# Altium PCB AudioBoxAmpV3-3.PcbDoc (part 1 of 2) (continued)
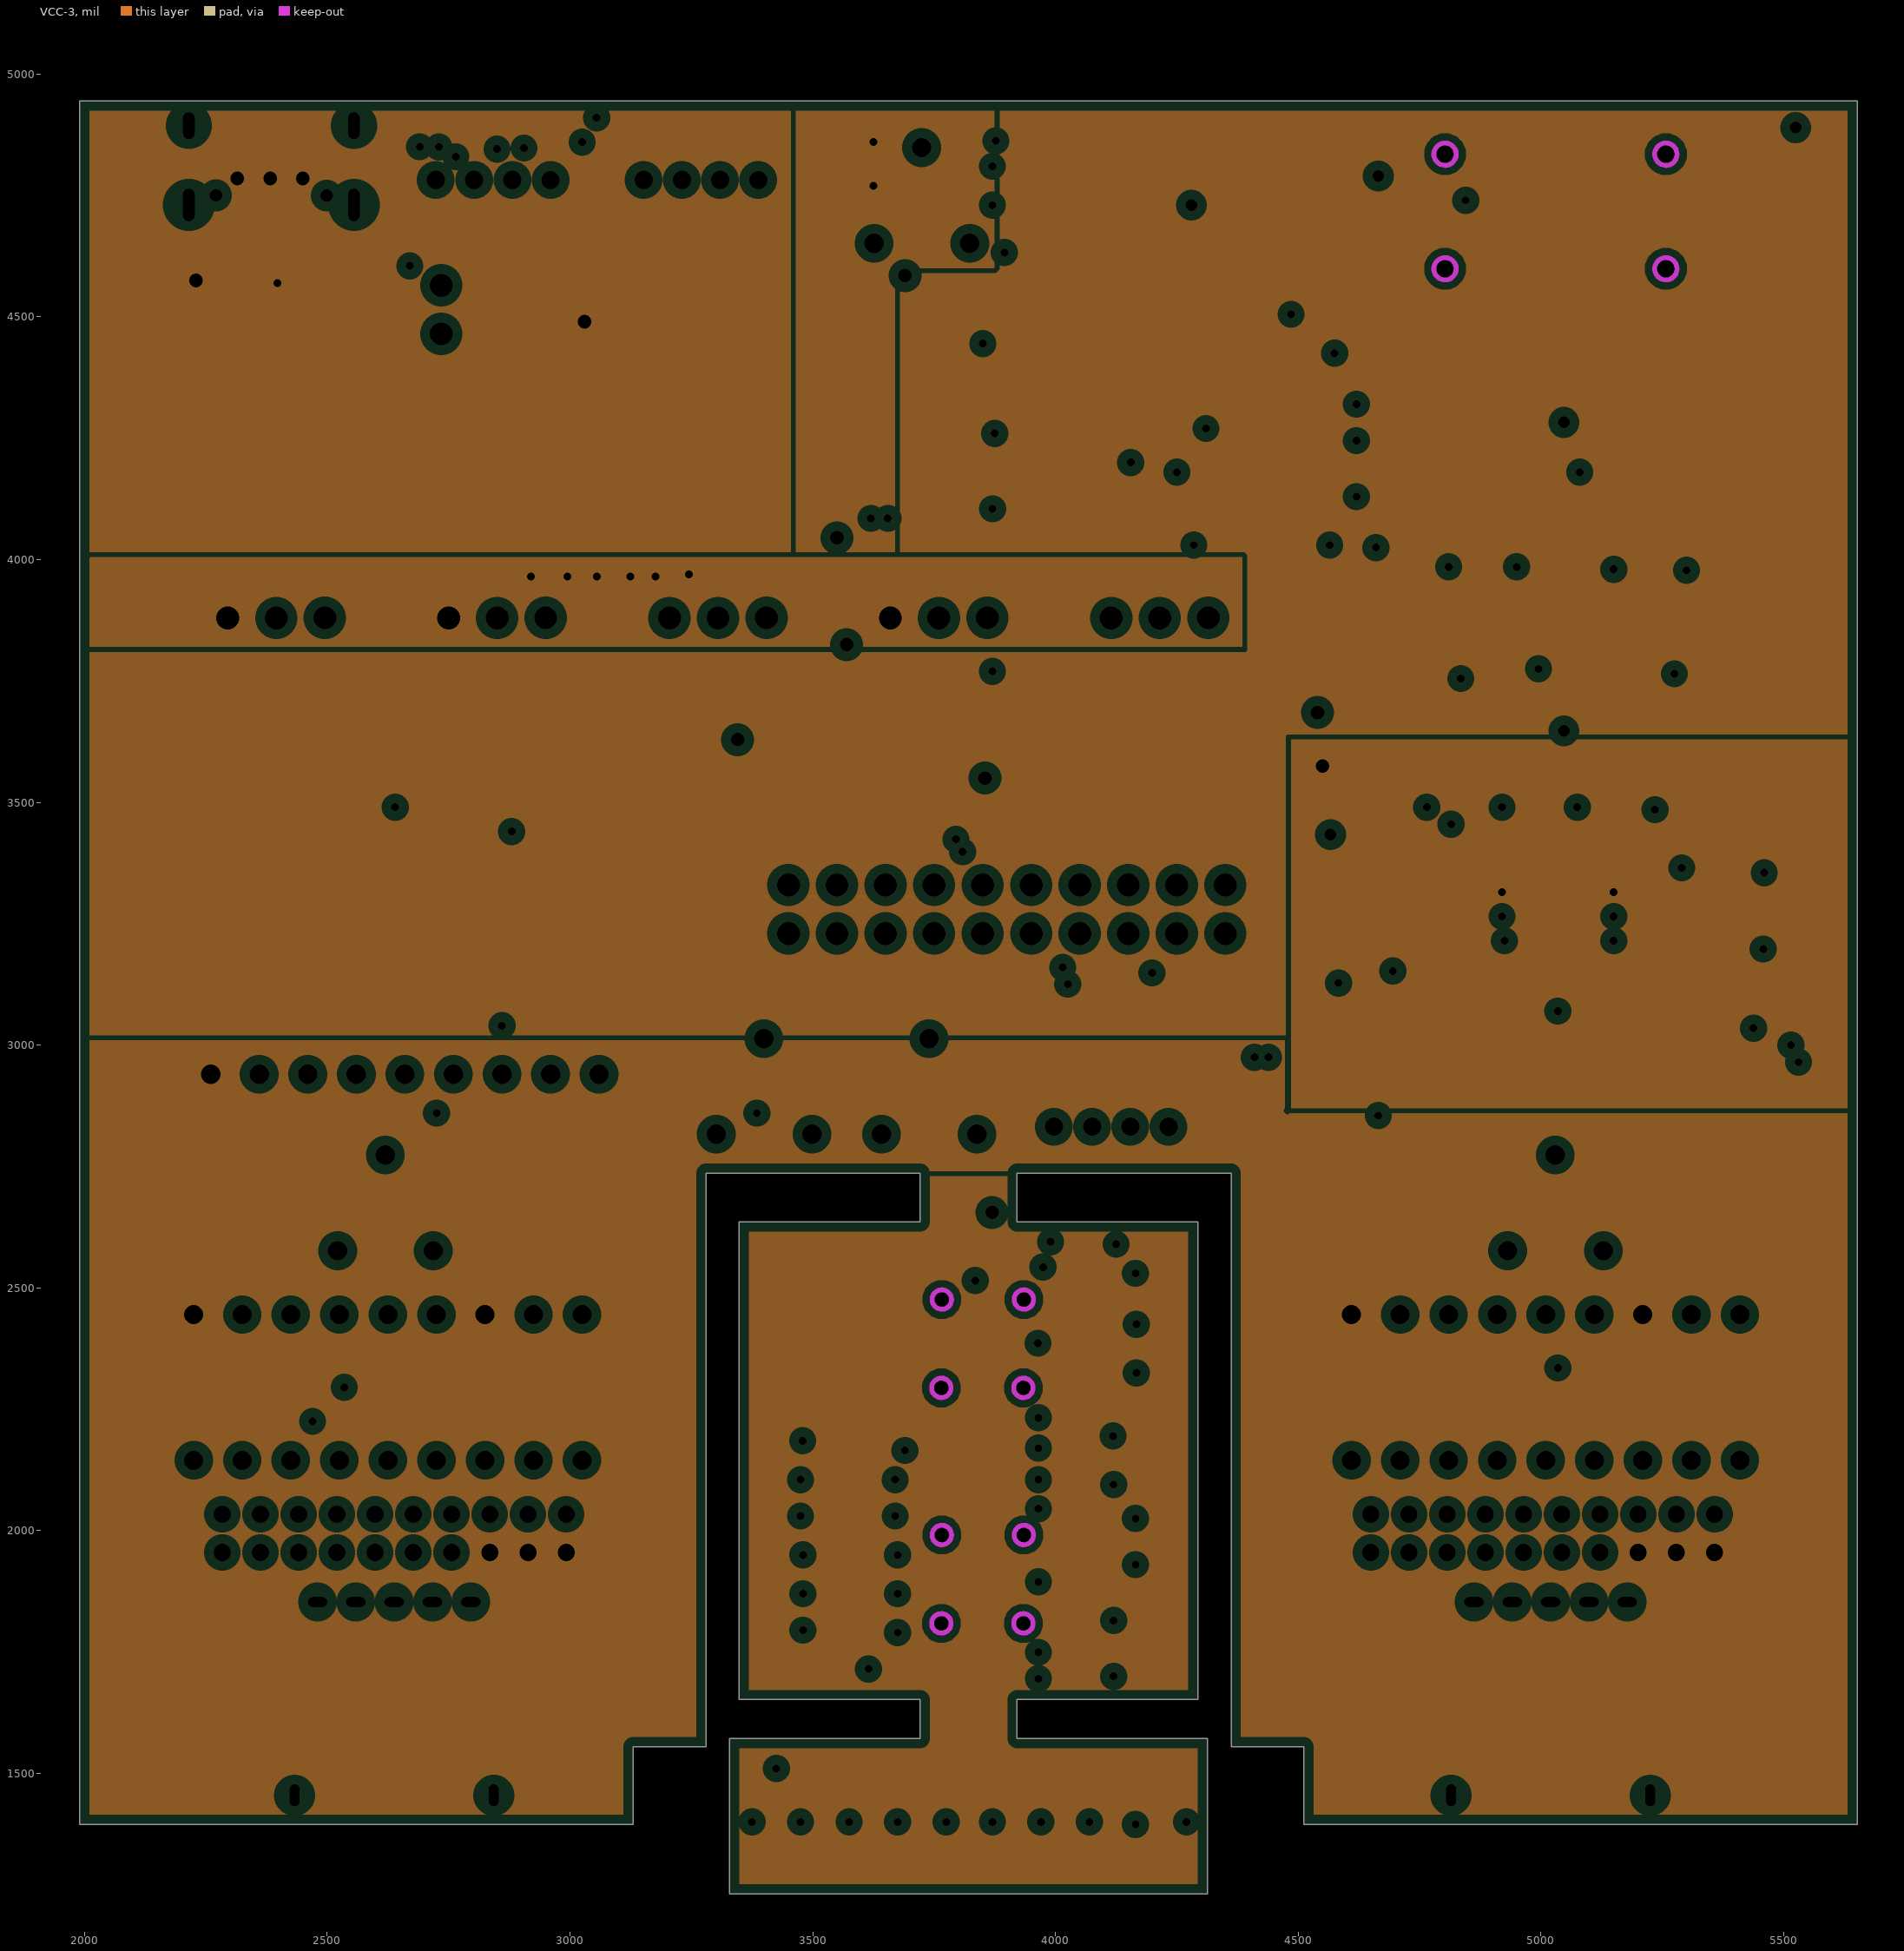
[diagram p3: VCC-3, clearances drawn from the general rule]
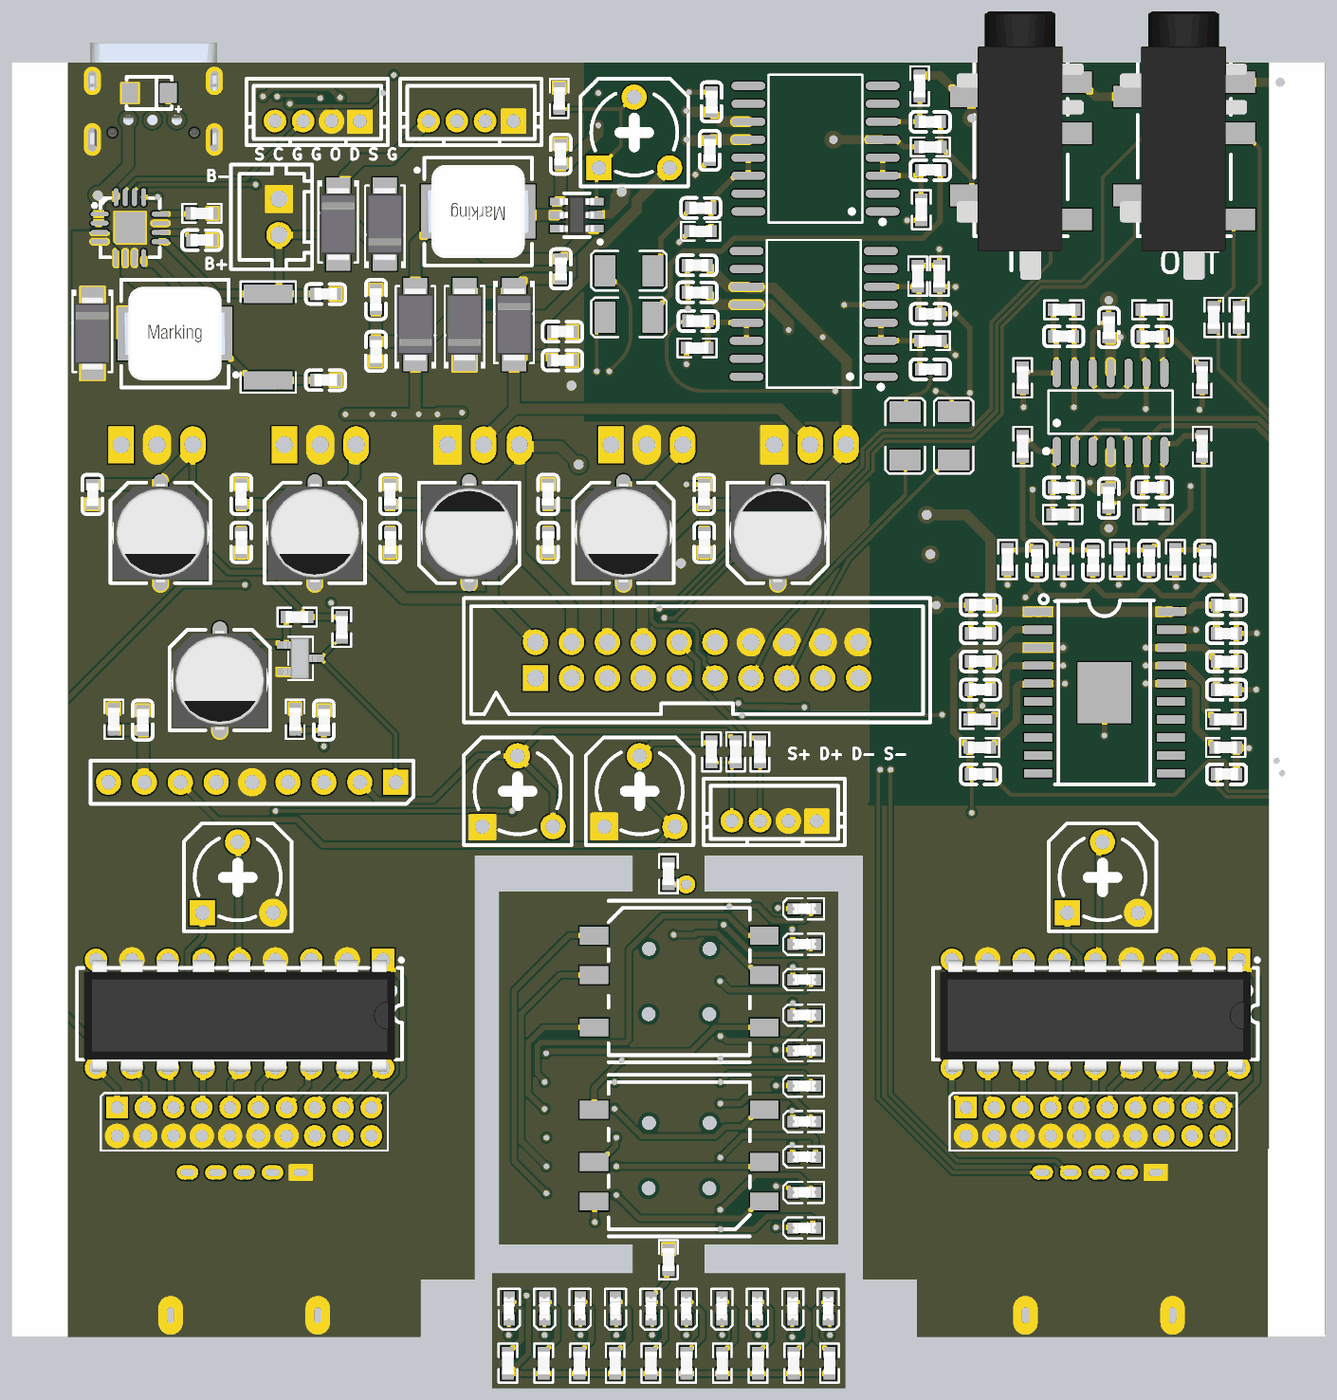
[diagram p5: 3D render of the assembled board from above, using the file's embedded part models]
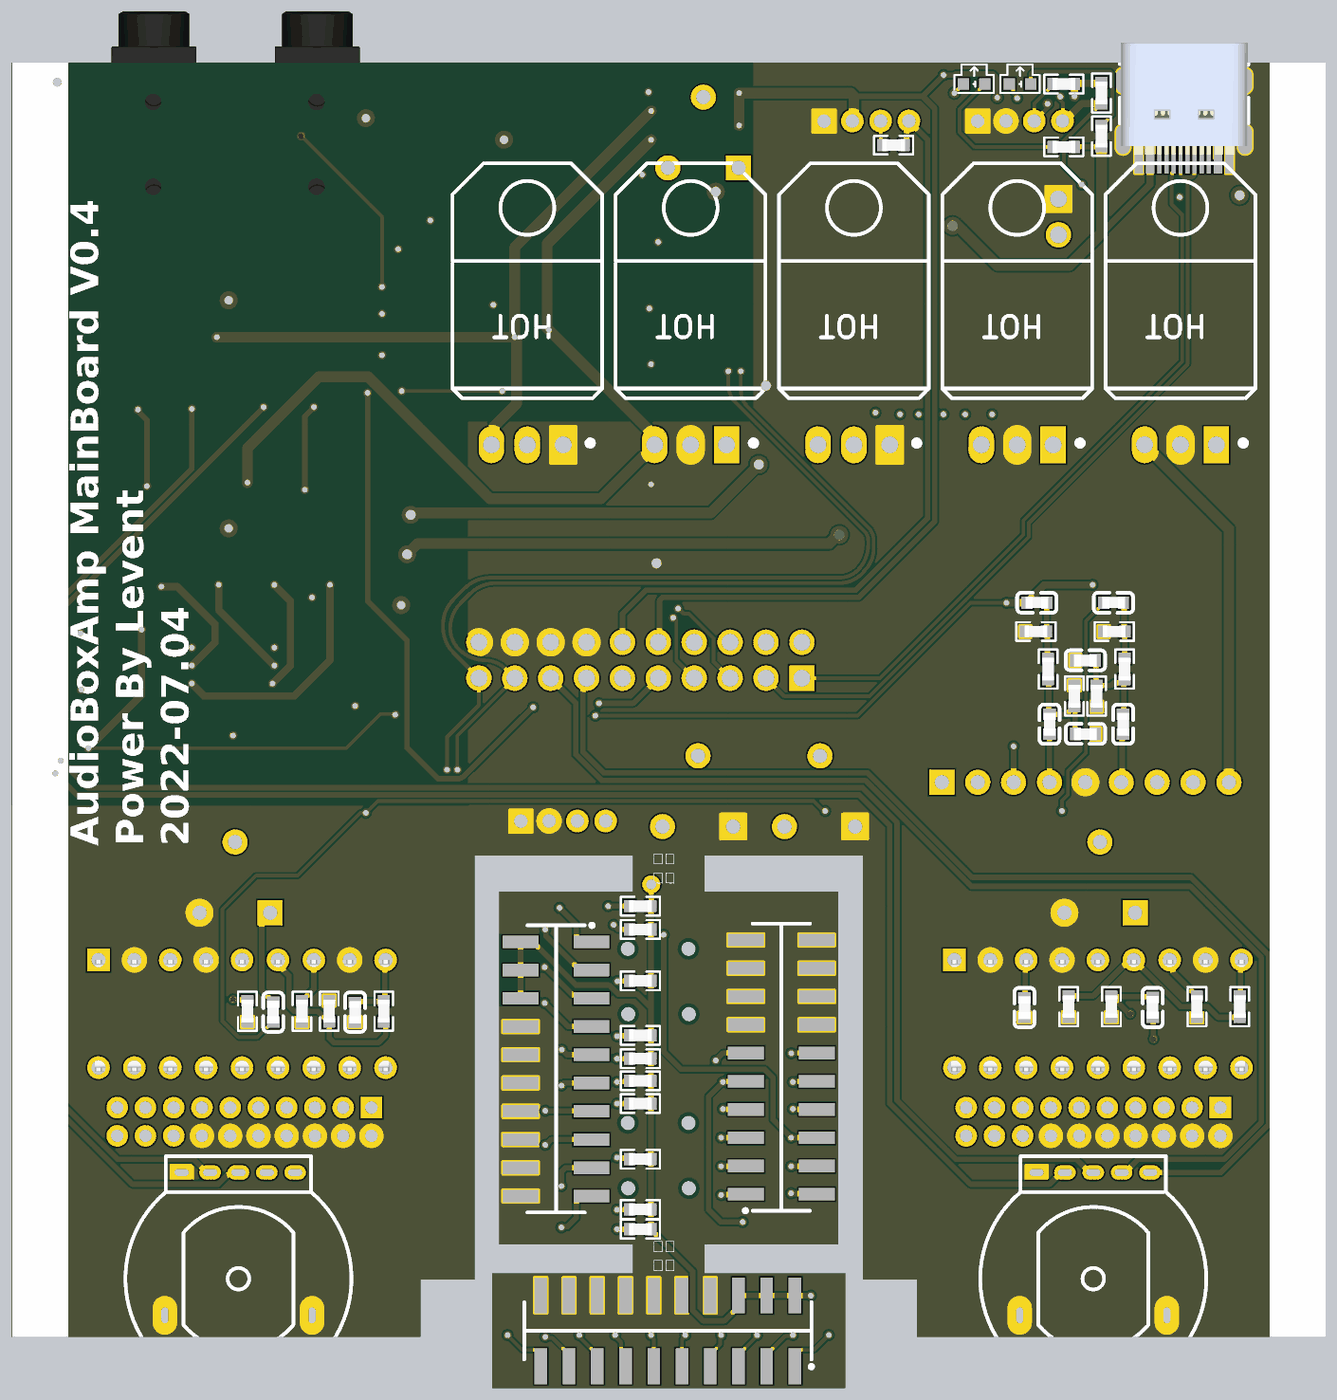
[diagram p6: 3D render of the assembled board from below, using the file's embedded part models]

## Layer stack, top to bottom
Top Solder: solder mask 0.4, Solder Resist, Dk 3.5
Top Layer: signal copper 1.4
Dielectric 2: prepreg 2.8, PP-006, Dk 4.1
GND-2: plane copper 1.378, net GND
Dielectric 1: dielectric 12.6, FR-4, Dk 4.8
VCC-3: plane copper 1.378, net (Multiple Nets)
Dielectric 3: prepreg 2.8, PP-006, Dk 4.1
Bottom Layer: signal copper 1.4
Bottom Solder: solder mask 0.4, Solder Resist, Dk 3.5

## Board outline
1990,1395 3130,1395 3130,1555 3280,1555 3280,2736 3721,2736 3721,2636 3348.5,2636 3348.5,1652 3721,1652 3721,1572 3329,1572 3329,1252 4313,1252 4313,1572 3921,1572 3921,1652 4293.5,1652 4293.5,2636 3921,2636 3921,2736 4362,2736 4362,1555 4512,1555 4512,1395 5652,1395 5652,4945 1990,4945

## Design rules (kind name [scope] priority, off if disabled: settings)
Clearance [All] p1: gap=5 ignorepadtopadclearanceinfootprint=FALSE
HoleToHoleClearance [All] p1: gap=5 allowstackedmicrovias=TRUE
MinimumSolderMaskSliver [All] p1: minsoldermaskwidth=3
PlaneClearance [All] p1: clearance=20
PlaneConnect [All] p1: planeconnectstyle=Relief reliefexpansion=20 reliefentries=4 reliefconductorwidth=10 reliefairgap=10
PolygonConnect [All] p1: connectstyle=Direct reliefconductorwidth=10 reliefentries=4 polygonreliefangle="90 Angle" airgapwidth=10
RoutingVias [All] p1: holewidth=16 width=26 viastyle="Through Hole" minholewidth=8 minwidth=16 maxholewidth=50 maxwidth=50
SilkToSilkClearance [All] p1: silktosilkclearance=5
SilkToSolderMaskClearance [IsPad] p1: minsilkscreentomaskgap=3 clearancetoexposedcopper=TRUE
SolderMaskExpansion [All] p1: expansion=4 istentingtop=FALSE
Width PWR [InNetClass('PWR')] p1: maxlimit=50 minlimit=15 preferedwidth=15
Width [All] p2: maxlimit=50 minlimit=10 preferedwidth=10
24 further rules are at their usual default settings.

## Classes and differential pairs
net class PWR: A_VLB12V+ A_VLB12V- FP_12V GND PWR_BAT PWR_DC_SW PWR_DC_V5+ PWR_DC_V5- PWR_DC_VHN PWR_DC_VHP PWR_VIN PWR_VOUT PWR_VSYS VU_12V VU_LVUOUT
component class VU_LED: C53 C54 C55 C56 C57 C58 C59 C60 C61 C62 C63 C64 C65 C66 C67 H4 H5 H6 Q1 R38 R39 R40 R41 R42 R43 R44 R45 R46 R47 R48 R49 R50 R51 R52 R53 R54 R55 R56 R57 R58 R59 R60 R61 R62 U11 U12 U13 U14
component class Power: C1 C2 C3 C4 C5 C6 C7 C8 C9 C10 C11 C12 C13 C14 C15 C16 C17 C18 C19 C20 C21 C22 D1 D2 D3 D4 D5 D6 D7 D8 H1 H2 H3 L1 L2 R1 R2 R3 R4 R5 R6 R7 R8 R9 U1 U2 U3 U4 U5 U6 USB1
component class FrantPannel: D9 D10 D11 D12 D13 D14 D15 D16 D17 D18 D19 D20 D21 D22 D23 D24 D25 D26 D27 D28 H7 H8 H9 K1 K2 R63 R64 R65 R66 R67 R68 R69 R70 R71 R72 R73 R74 R75 R76 R77 R78 R79 R80 R81 R82 R83
component class Audio: C23 C24 C25 C26 C27 C28 C29 C30 C31 C32 C33 C34 C35 C36 C37 C38 C39 C40 C41 C42 C43 C44 C45 C46 C47 C48 C49 C50 C51 C52 CN1 CN2 CN3 L3 L4 L5 L6 R10 R11 R12 R13 R14 R15 R16 R17 R18 R19 R20 R21 R22 R23 R24 R25 R26 R27 R28 R29 R30 R31 R32 R33 R34 R35 R36 R37 U7 U8 U9 U10

## Components (designator, comment, footprint, x,y, rotation, side; value= is the part's Value field where it differs from the comment)
C1 "CAP" C0603 2520,4450 r0 top value=100nF
C2 "CAP_POL" CP1206 2375,4860 r180 top value=10uF
C3 "CAP" C0603 2865,4300 r0 top value=10uF
C4 "CAP" C0603 2865,4060 r0 top value=10uF
C5 "CAP_POL" CAP_SMD_6.3mm 3695,3635 r270 top locked value=220uF
C6 "CAP_POL" CAP_SMD_6.3mm 2835,3635 r270 top locked value=220uF
C7 "CAP" C0603 3485,3742.28 r90 top locked value=10uF
C8 "CAP" C0603 3484.79,3607.72 r270 top locked value=100nF
C9 "CAP" C0603 2629.79,3607.72 r270 top locked value=10uF
C10 "CAP" C0603 2630,3742.28 r90 top locked value=100nF
C11 "CAP" C0603 3520,4690 r90 top value=1uF
C12 "CAP" C0603 3519.79,4370 r270 top value=1uF
C13 "CAP" C0603 3005.21,4285 r90 top value=10uF
C14 "CAP" C0603 3005,4140 r270 top value=100nF
C15 "CAP_POL" CAP_SMD_6.3mm 4125,3635 r90 top locked value=220uF
C16 "CAP" C0603 3920,3742.28 r90 top locked value=10uF
C17 "CAP" C0603 3919.79,3607.72 r270 top locked value=100nF
C18 "CAP_POL" CAP_SMD_6.3mm 3265,3635 r90 top locked value=220uF
C19 "CAP" C0603 3044.79,3607.72 r270 top locked value=10uF
C20 "CAP" C0603 3045,3742.28 r90 top locked value=100nF
C21 "CAP" C0603 3525,4115 r0 top value=10uF
C22 "CAP" C0603 3525,4195 r0 top value=100nF
C23 "Cap" C0603 4921.03,3761.16 r180 top value=1nF
C24 "Cap" C0603 4921.64,4181.83 r0 top value=1nF
C25 "CAP" C0603 5047.23,3731.16 r90 top value=1uF
C26 "CAP" C0603 5047.23,4206.16 r270 top value=1uF
C27 "Cap" C0603 5168.78,3760.95 r0 top value=1nF
C28 "Cap" C0603 5168.17,4182.05 r180 top value=1nF
C29 "CAP" C0603 3902.45,4225 r180 top value=10uF
C30 "CAP" C0603 4550,4090 r0 top value=10uF
C31 "CAP" C0603 5375,3355.12 r180 top value=1uF
C32 "CAP" C0603 5375,3433.7 r180 top value=100nF
C33 "CAP" C0603 5375,3197.98 r180 top value=1uF
C34 "CAP" C0603 5375,3276.55 r180 top value=100nF
C35 "CAP" C0603 4690,3197.76 r0 top value=1uF
C36 "CAP" C0603 4690,3276.34 r0 top value=100nF
C37 "CAP" C0603 4690,3433.48 r0 top value=1uF
C38 "CAP" C0603 4690,3354.91 r0 top value=100nF
C39 "CAP" C0603 3900,4305 r180 top value=1uF
C40 "CAP" C0603 4550,4245 r180 top value=1uF
C41 "CAP" C0603 3900,4380 r0 top value=1uF
C42 "CAP" C0603 4690,2962.05 r0 top value=10uF
C43 "CAP" C0603 5375.61,2962.05 r0 top value=10uF
C44 "CAP" C0603 4550,4645 r0 top value=10uF
C45 "CAP" C0603 3910,4540 r180 top value=10uF
C46 "CAP" C0603 3935,4700 r270 top value=1uF
C47 "CAP" C0603 4549.39,4780 r180 top value=1uF
C48 "CAP" C0603 5158.98,3557.55 r270 top value=1uF
C49 "CAP" C0603 5002.97,3557.55 r270 top value=1uF
C50 "CAP" C0603 5315,3557.55 r270 top value=1uF
C51 "CAP" C0603 4846.95,3557.55 r270 top value=1uF
C52 "CAP" C0603 3940,4835 r270 top value=1uF
C53 "CAP_POL" CAP_SMD_6.3mm 2570,3225 r270 top value=100uF
C54 "CAP" C0603 2795,3440 r180 bottom value=10uF
C55 "CAP" C0603 2860,3112.55 r270 top value=2.2uF
C56 "CAP_POL" CAP_SMD_6.3mm 2405,3635 r270 top locked value=220uF
C57 "CAP" C0603 2215,3741.66 r270 top locked value=1uF
C58 "CAP" C0603 2760,3101.56 r270 bottom value=2.2uF
C59 "CAP" C0603 2581.56,3440 r180 bottom value=10uF
C60 "CAP" C0603 2355,3112.55 r270 top value=2.2uF
C61 "CAP" C0603 2660,3075 r0 bottom value=1nF
C62 "CAP" C0603 2660,3280 r0 bottom value=1nF
C63 "CAP" C0603 2555,3101.56 r270 bottom value=2.2uF
C64 "CAP" C0603 4922.95,2300 r90 bottom value=10uF
C65 "CAP" C0603 2472.28,2312.81 r90 bottom value=10uF
C66 "CAP" C0603 2830,2312.2 r270 bottom value=10uF
C67 "CAP" C0603 4695.16,2299.39 r270 bottom value=10uF
CN1 "Audio3.5Con" Audio3.5_3Pin 4802.5,4699 r270 top
CN2 "300S-20P" DC_20P_2.54 3900,3280 r0 top
CN3 "Audio3.5Con" Audio3.5_3Pin 5257.5,4699 r270 top
D1 "LED" LED0603_Side 2970,4885 r90 bottom
D2 "LED" LED0603_Side 2842.2,4885 r90 bottom
D3 "Diode SBD" SMA_L4.3 3030,4495 r90 top
D4 "Diode SBD" SMA_L4.3 2215,4190 r270 top
D5 "Diode SBD" SMA_L4.3 2900,4495 r270 top
D6 "Diode SBD" SMA_L4.3 3115,4215 r90 top
D7 "Diode SBD" SMA_L4.3 3390,4215 r270 top
D8 "Diode SBD" SMA_L4.3 3252.14,4215 r90 top
D9 "LED" LED0603 4199,1698.32 r0 top locked
D10 "LED" LED0603 4199,1797.09 r0 top locked
D11 "LED" LED0603 4199,1895.86 r0 top locked
D12 "LED" LED0603 4199,1994.63 r0 top locked
D13 "LED" LED0603 4199,2093.4 r0 top locked
D14 "LED" LED0603 4199,2192.17 r0 top locked
D15 "LED" LED0603 4199,2290.95 r0 top locked
D16 "LED" LED0603 4199,2389.72 r0 top locked
D17 "LED" LED0603 4199,2488.49 r0 top locked
D18 "LED" LED0603 4199,2587.26 r0 top locked
D19 "LED" LED0603 4265.68,1473.95 r90 top locked
D20 "LED" LED0603 4166.91,1473.95 r90 top locked
D21 "LED" LED0603 4068.14,1473.95 r90 top locked
D22 "LED" LED0603 3969.37,1473.95 r90 top locked
D23 "LED" LED0603 3870.6,1473.95 r90 top locked
D24 "LED" LED0603 3771.83,1473.95 r90 top locked
D25 "LED" LED0603 3673.05,1473.95 r90 top locked
D26 "LED" LED0603 3574.28,1473.95 r90 top locked
D27 "LED" LED0603 3475.51,1473.95 r90 top locked
D28 "LED" LED0603 3376.74,1473.95 r90 top locked
H1 "Header_P4" PH_4Pin 2841.89,4781.89 r0 top locked
H2 "Header_P2" XH_2Pin 2735,4515 r90 top
H3 "Header_P4" PH_4Pin 3270,4781.89 r0 top locked
H4 "Header_P4" PH_4Pin 4115,2831.93 r0 top
H5 "Header_2*10P" H_2.0_10x2Pin 5003.68,1994.35 r0 top locked
H6 "Header_2*10P" H_2.0_10x2Pin 2638,1994.35 r0 top locked
H7 "Header_2*10P" H_2.0_2x10Pin_SMD 4135,2141.5 r270 bottom locked
H8 "Header_2*10P" H_2.0_2x10Pin_SMD 3507.3,2146.5 r90 bottom locked
H9 "Header_2*10P" H_2.0_2x10Pin_SMD 3823.5,1412 r0 bottom locked
K1 "KEY_5P" KEY_5 3850,2385 r0 top locked
K2 "KEY_5P" KEY_5 3850,1900 r180 top locked
L1 "INDU" SMD_L7.1 2445,4190 r180 top
L2 "INDU" SMD_L7.1 3290,4530 r0 top
L3 "INDU" L1210 4480,3905 r270 top
L4 "INDU" L1210 4615,3905 r270 top
L5 "INDU" L1210 3710,4235 r180 top
L6 "INDU" L1210 3710,4365 r0 top
Q1 "SS8050" SOT-23-3 2795,3285 r180 top
R1 "Reg" R0603 2720,4710 r180 bottom value=1K
R2 "Reg" R0603 2720,4885 r180 bottom value=10K
R3 "Reg" R0603 2615,4740 r270 bottom value=1K
R4 "Reg" R0603 2615,4860 r90 bottom value=10K
R5 "Reg" R0603 2520,4525 r0 top value=320K
R6 "Reg" R0603 3194.49,4714.96 r0 bottom value=1K
R7 "Reg" R2512 2705,4180 r270 top value=0.05R
R8 "Res Tap" RES_TAP_HOR 3725,4750 r0 top value=10K
R9 "Reg" R0603 3515.84,4845 r270 top value=300R
R10 "Reg" R0603 4918.84,3686.16 r180 top value=1K
R11 "Reg" R0603 4922.23,4256.16 r0 top value=1K
R12 "Res_Tap_2" RES_TAP_5Pin 2638,1654 r0 bottom locked
R13 "Reg" R0603 4807.23,3875.55 r270 top value=500R
R14 "Reg" R0603 4807.23,4066.76 r270 top value=500R
R15 "Res_Tap_2" RES_TAP_5Pin 5020,1654 r0 bottom locked
R16 "Reg" R0603 5307.23,3875.55 r90 top value=500R
R17 "Reg" R0603 5307.23,4066.76 r90 top value=500R
R18 "Reg" R0603 5170.97,3686.16 r0 top value=1K
R19 "Reg" R0603 5167.23,4256.16 r180 top value=1K
R20 "Reg" R0603 4550,4170 r0 top value=5K
R21 "Reg" R0603 3900,4150 r0 top value=5K
R22 "Reg" R0603 4575,4350 r270 top value=10K
R23 "Reg" R0603 4515,4350 r270 top value=10K
R24 "Reg" R0603 5340,4235 r270 top value=50R
R25 "Reg" R0603 5410,4235 r90 top value=50R
R26 "Reg" R0603 5077.03,3560.36 r270 top value=500R
R27 "Reg" R0603 5233.05,3560.36 r270 top value=500R
R28 "Reg" R0603 4921.02,3560.36 r270 top value=500R
R29 "Reg" R0603 4765,3560.36 r270 top value=500R
R30 "Reg" R0603 4687.2,3115.25 r0 top value=1K
R31 "Reg" R0603 5372.81,3115.25 r180 top value=1K
R32 "Reg" R0603 4687.2,3036.67 r0 top value=1K
R33 "Reg" R0603 5372.81,3036.67 r180 top value=1K
R34 "Reg" R0603 4525,4535 r270 top value=5K
R35 "Reg" R0603 3910,4475 r0 top value=5K
R36 "Reg" R0603 4550,4710 r0 top value=10K
R37 "Reg" R0603 4520,4879.65 r270 top value=10K
R38 "Reg" R0603 2785.34,3400 r180 top value=680K
R39 "Reg" R0603 2910,3371.48 r90 top value=10K
R40 "Reg" R0603 2797.8,3360 r180 bottom value=10K
R41 "Reg" R0603 2780,3115.36 r270 top value=330K
R42 "Reg" R0603 2275,3115.36 r270 top value=330K
R43 "Reg" R0603 2763.95,3255.42 r90 bottom value=10K
R44 "Reg" R0603 2690.72,3180 r90 bottom value=220K
R45 "Reg" R0603 2579.36,3360 r180 bottom value=10K
R46 "Reg" R0603 4007.5,3025 r90 top value=100R
R47 "Reg" R0603 2628.67,3180 r90 bottom value=220K
R48 "Reg" R0603 2550.84,3255.42 r90 bottom value=10K
R49 "Res Tap" RES_TAP_HOR 3400,2915 r0 top value=1K
R50 "Reg" R0603 4075,3025 r270 top value=1K
R51 "Reg" R0603 3940,3025 r90 top value=100R
R52 "Res Tap" RES_TAP_HOR 3740,2915 r0 top value=1K
R53 "Reg" R0603 4995,2302.19 r90 bottom value=10K
R54 "Reg" R0603 2587.5,2315 r90 bottom value=10K
R55 "Res Tap" RES_TAP_HOR 5030,2675 r0 top value=50K
R56 "Res Tap" RES_TAP_HOR 2620,2675 r0 top value=50K
R57 "Reg" R0603 4615,2302.19 r90 bottom value=20K
R58 "Reg" R0603 4767,2302.19 r90 bottom value=500R
R59 "Reg" R0603 4843,2302.19 r270 bottom value=1K
R60 "Reg" R0603 2230,2315 r90 bottom value=20K
R61 "Reg" R0603 2706.67,2315 r270 bottom value=500R
R62 "Reg" R0603 2349.17,2315 r270 bottom value=1K
R63 "Reg" R0603 3900,1695 r180 bottom locked value=1K
R64 "Reg" R0603 3900,1750 r180 bottom locked value=1K
R65 "Reg" R0603 3900,1890 r180 bottom locked value=1K
R66 "Reg" R0603 3900,2045 r180 bottom locked value=1K
R67 "Reg" R0603 3900,2108.22 r180 bottom locked value=1K
R68 "Reg" R0603 3900,2170 r180 bottom locked value=1K
R69 "Reg" R0603 3900,2235 r180 bottom locked value=1K
R70 "Reg" R0603 3900,2386.88 r180 bottom locked value=1K
R71 "Reg" R0603 3900,2530 r180 bottom locked value=1K
R72 "Reg" R0603 3900,2595 r180 bottom locked value=1K
R73 "Reg" R0603 4268.99,1322 r270 top locked value=1K
R74 "Reg" R0603 4169.44,1322 r270 top locked value=1K
R75 "Reg" R0603 4069.88,1322 r270 top locked value=1K
R76 "Reg" R0603 3970.33,1322 r270 top locked value=1K
R77 "Reg" R0603 3870.78,1322 r270 top locked value=1K